# KiCad board m-blanc.kicad_pcb (continued)
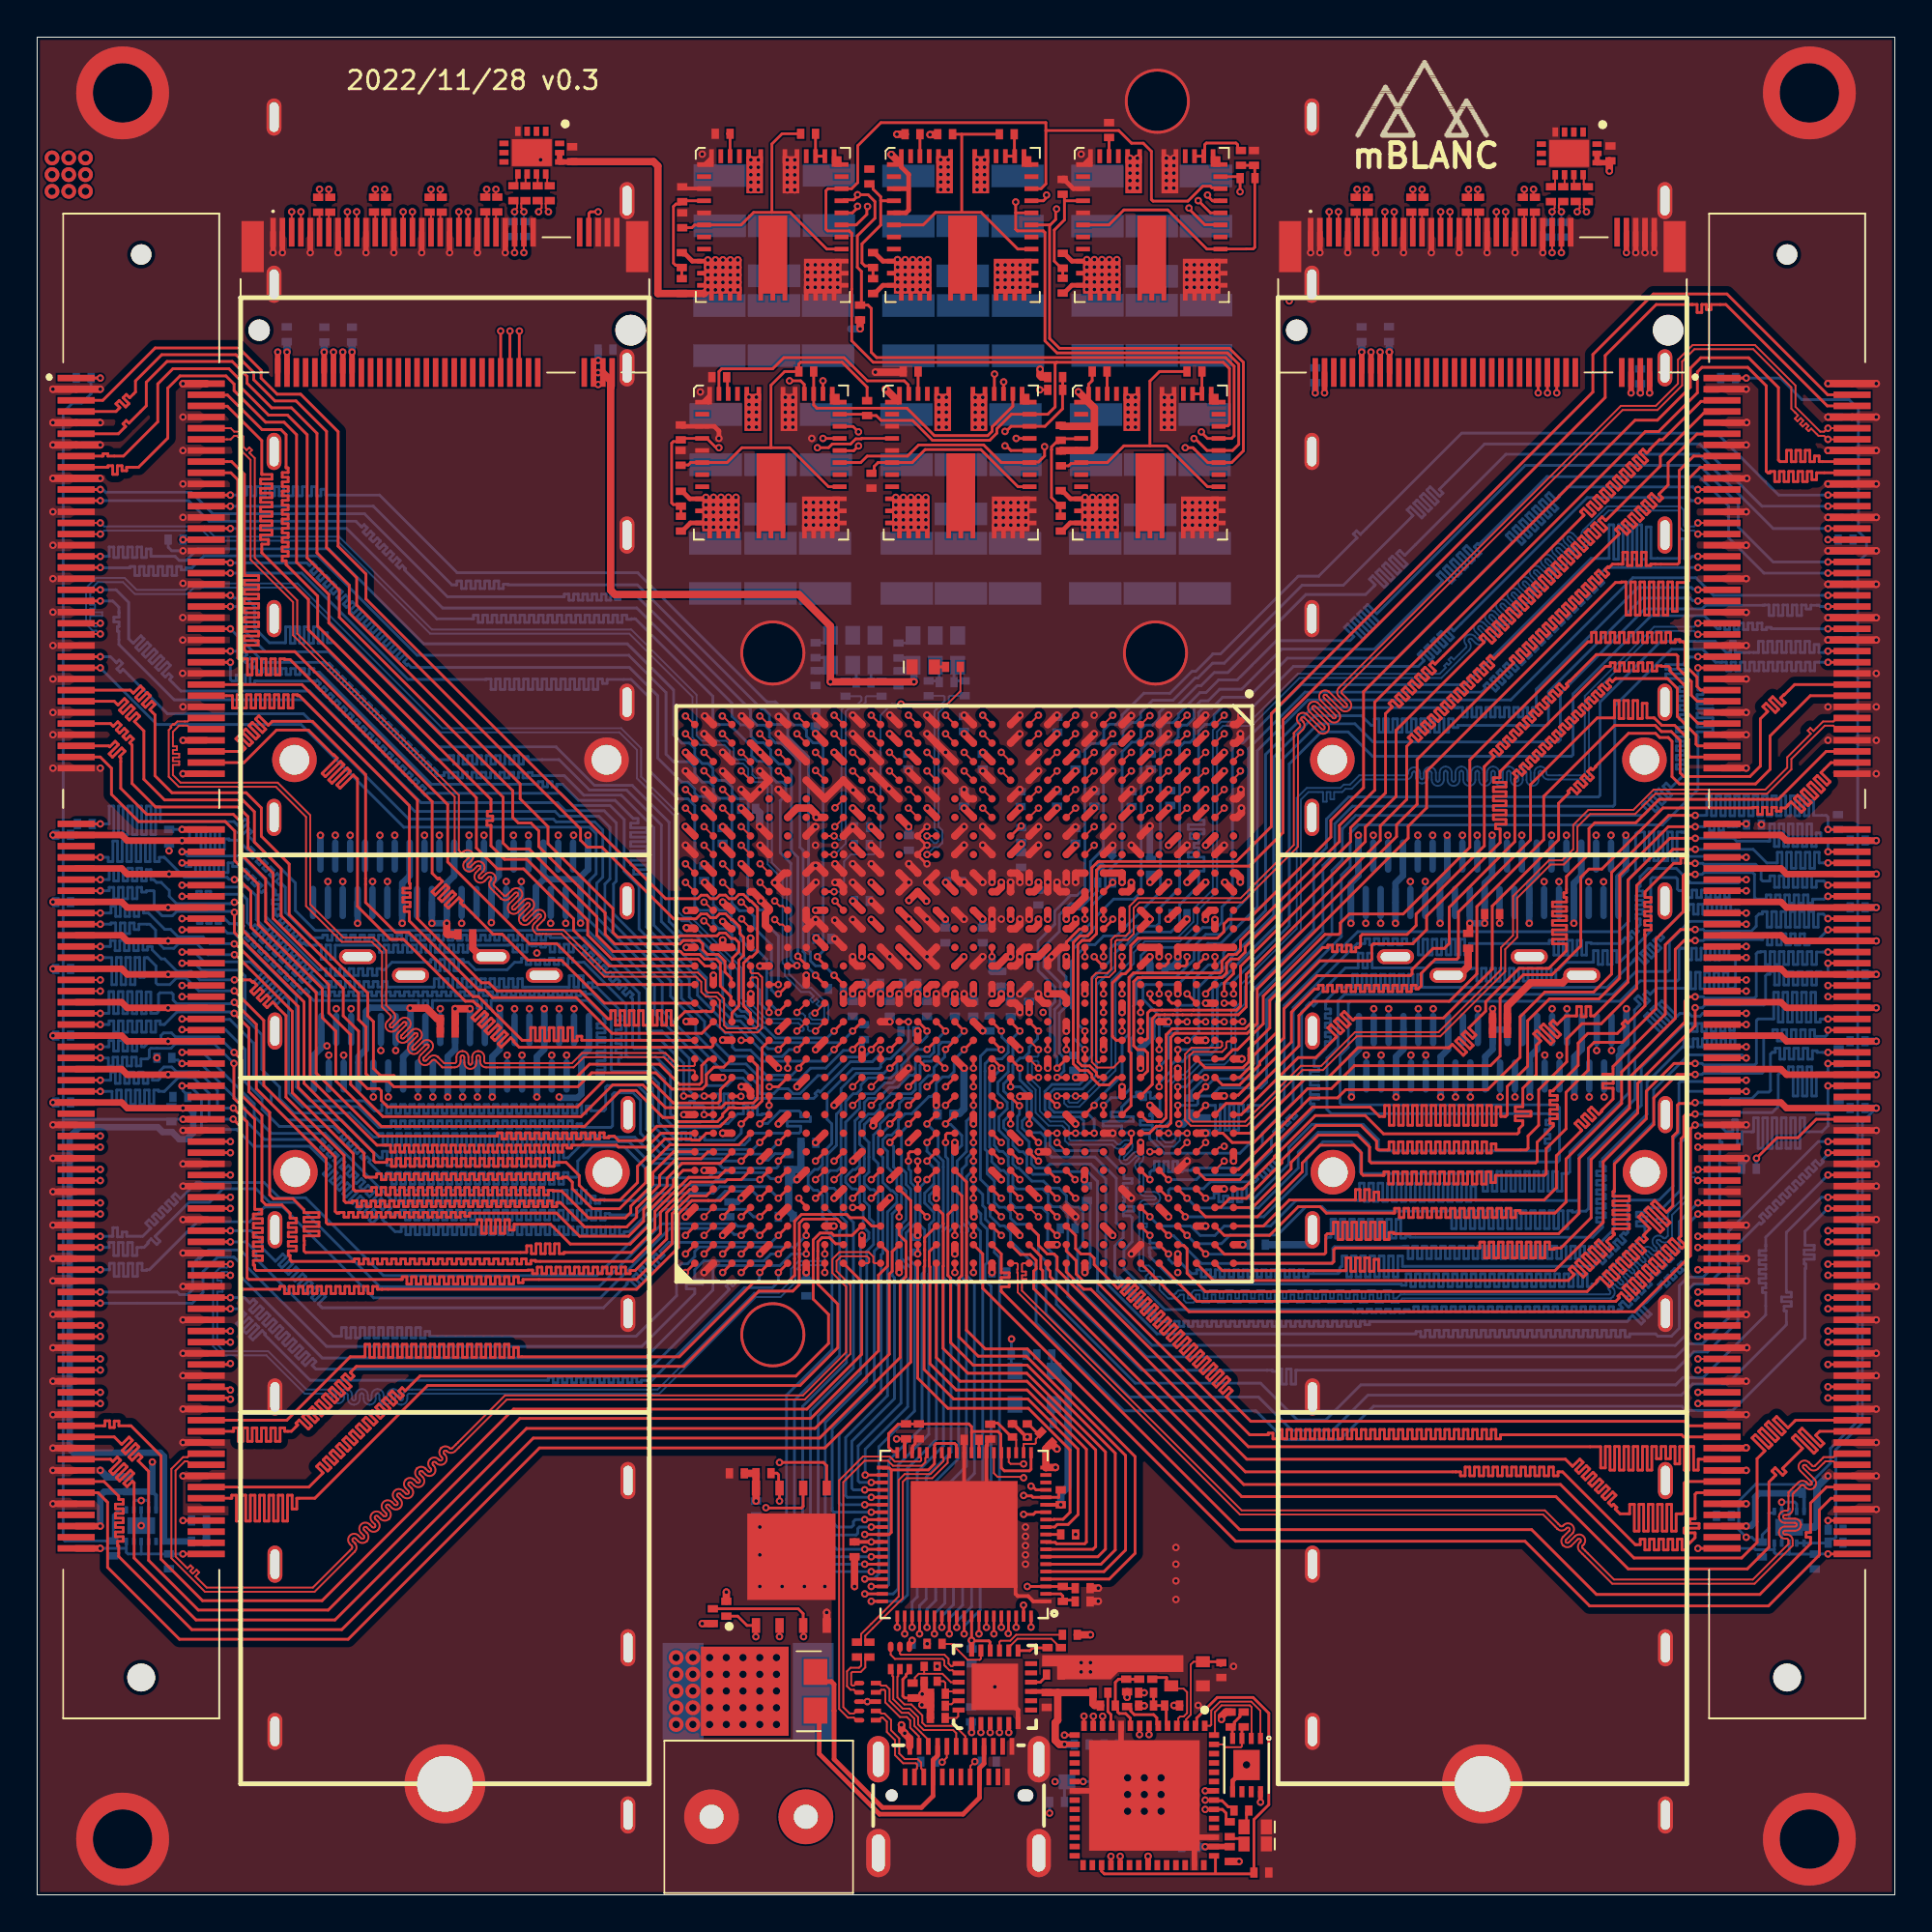
[diagram p0: board, top side]
## Routing (per net, layer and track width the routed paths; a pad name or vN(x,y) marks a point on that pad's centre or on a via; arc(x,y) is an arc through that point) (continued)
DRAM1_DM5: length 46.6
  Top Layer w0.15: v1(37.9,35.5) U1.AG28 ; DIMM1.153 v1(3.4,33.65)
  Bottom Layer w0.15: v1(3.4,33.65) 3.9,33.65 3.9,33.99 4.15,33.99 4.15,33.29 4.4,33.29 4.4,33.99 4.65,33.99 4.65,33.29 4.9,33.29 4.9,33.99 5.15,33.99 5.15,33.29 5.4,33.29 5.4,33.99 5.65,33.99 5.65,33.62 5.9,33.62 5.9,33.65 6.04,33.65 8.63,36.23 11.45,36.23 12.24,37.03 13.22,37.03 18.11,32.14 30.32,32.14 34.06,35.87 37.19,35.87 37.52,35.55 37.85,35.55 v1(37.9,35.5)
DRAM1_DM6: length 56.5
  Top Layer w0.15: v1(10.4,28.6) 10.35,28.55 10.22,28.55 10.22,28.55 DIMM1.170 ; v1(43.9,38.5) U1.AA25
  InLayer2 (Signal) w0.15: v1(43.9,38.5) 43.39,37.99 43.39,28.39 41.61,26.61 24.7,26.61 24.7,26.68 24.45,26.68 24.45,26.51 24.2,26.51 24.2,26.78 23.95,26.78 23.95,26.51 23.7,26.51 23.7,26.78 23.45,26.78 23.45,26.51 23.2,26.51 23.2,26.78 22.95,26.78 22.95,26.51 22.7,26.51 22.7,26.78 22.45,26.78 22.45,26.51 22.2,26.51 22.2,26.78 21.95,26.78 21.95,26.51 21.7,26.51 21.7,26.78 21.45,26.78 21.45,26.51 21.2,26.51 21.2,26.78 20.95,26.78 20.95,26.51 20.7,26.51 20.7,26.78 20.45,26.78 20.45,26.51 20.2,26.51 20.2,26.78 19.95,26.78 19.95,26.51 19.7,26.51 19.7,26.78 19.45,26.78 19.45,26.51 19.2,26.51 19.2,26.78 18.95,26.78 18.95,26.51 18.7,26.51 18.7,26.78 18.45,26.78 18.45,26.51 18.2,26.51 18.2,26.78 17.95,26.78 17.95,26.51 17.7,26.51 17.7,26.78 17.45,26.78 17.45,26.51 17.2,26.51 17.2,26.78 16.95,26.78 16.95,26.51 16.7,26.51 16.7,26.78 16.45,26.78 16.45,26.51 16.2,26.51 16.2,26.78 15.95,26.78 15.95,26.61 15.69,26.61 13.7,28.6 v1(10.4,28.6)
DRAM1_DM7: length 66.6
  Top Layer w0.15: DIMM1.187 3.95,23.45 4.07,23.33 4.31,23.57 4.49,23.39 3.91,22.81 4.09,22.63 4.67,23.22 4.84,23.04 4.26,22.46 4.44,22.28 5.02,22.86 5.2,22.68 4.66,22.15 4.84,21.97 5.13,22.27 5.22,22.18 5.22,18.13 8.55,14.8 16.03,14.8 26.34,25.11 41.87,25.11 45.87,29.1 45.87,33.41 46.03,33.57 46.03,34.62 U1.W29
DRAM1_DQ0: length 62.2
  Top Layer w0.15: U1.AG17 38.4,47.47 38.03,47.84 38.03,50.16 38.36,50.49 38.49,50.49 38.78,50.78 38.78,53.16 38.43,53.5 38.37,53.5 38.01,53.86 37.79,53.86 37.56,53.62 37.24,53.62 37.06,53.81 36.74,53.81 36.56,53.62 36.24,53.62 36.06,53.81 35.74,53.81 35.56,53.62 33.83,53.62 17.7,69.76 17.7,71.1 16.2,72.6 16.2,78.76 14.18,80.78 12.92,80.78 12.06,81.64 12.06,82.07 10.85,83.27 6.35,83.27 3.53,80.45 DIMM1.5
DRAM1_DQ1: length 62.5
  Top Layer w0.15: U1.AH17 37.4,47.47 37.78,47.84 37.78,50.31 38.03,50.56 38.03,51.55 37.83,51.74 37.83,52.1 37.78,52.15 37.43,52.5 37.37,52.5 37.06,52.81 36.74,52.81 36.53,52.6 36.25,52.6 36.05,52.8 35.73,52.8 35.47,52.54 34.26,52.54 30.4,56.4 29.62,56.4 29.25,56.77 29.25,57.38 17.2,69.43 17.2,70.9 15.58,72.52 15.58,78.78 13.94,80.42 12.8,80.42 11.66,81.56 11.66,81.95 10.7,82.91 6.7,82.91 5.29,81.49 5.29,80.9 4.98,80.59 4.8,80.77 4.62,80.59 4.94,80.27 4.76,80.09 4.42,80.44 4.24,80.27 4.45,80.06 4.24,79.85 DIMM1.7
DRAM1_DQ2: length 60.2
  Top Layer w0.15: DIMM1.15 3.55,77.45 3.55,77.58 3.8,77.58 3.8,77.45 4.65,77.45 6.49,79.3 6.49,81.34 7.31,82.15 10.32,82.15 10.95,81.52 10.95,81.16 12.46,79.66 13.48,79.66 14.53,78.6 14.53,71.97 16.26,70.24 16.26,68.77 25.6,59.44 25.6,58 25.9,57.7 26.58,57.7 27,57.28 27,56.43 30.58,52.85 30.58,51.71 31.1,51.19 34.6,51.19 34.79,51.38 35.64,51.38 35.83,51.19 35.83,50.88 36.08,50.62 36.66,50.62 37.03,50.26 37.03,49.68 37.37,49.33 37.37,49.03 U1.AH15
DRAM1_DQ3: length 62.4
  Top Layer w0.15: U1.AH16 37.35,48.05 37.35,48.35 36.78,48.93 36.78,50.16 36.56,50.38 35.92,50.38 35.67,50.62 34.79,50.62 34.63,50.79 31,50.79 30.13,51.66 30.13,52.65 26.48,56.3 25.4,56.3 25.08,56.62 25.08,59.09 15.7,68.47 15.7,70 13.96,71.74 13.96,78.6 13.29,79.27 12.3,79.27 10.6,80.97 10.6,81.33 10.16,81.76 7.69,81.76 7.03,81.11 7.03,78.42 5.46,76.85 4.82,76.85 4.82,76.66 4.57,76.66 4.57,76.93 4.32,76.93 4.32,76.47 4.07,76.47 4.07,76.93 3.82,76.93 3.82,76.85 DIMM1.17
DRAM1_DQ4: length 54.3
  Top Layer w0.15: DIMM1.4 9.12,80.73 10.25,80.73 12.11,78.88 13.12,78.88 13.4,78.6 13.4,76.81 13.51,76.81 13.51,76.56 13.19,76.56 13.19,76.31 13.51,76.31 13.51,76.06 13.19,76.06 13.19,75.81 13.51,75.81 13.51,75.56 13.19,75.56 13.19,75.31 13.51,75.31 13.51,75.06 13.19,75.06 13.19,74.81 13.51,74.81 13.51,74.56 13.19,74.56 13.19,74.31 13.51,74.31 13.51,74.06 13.19,74.06 13.19,73.81 13.51,73.81 13.51,73.56 13.19,73.56 13.19,73.31 13.51,73.31 13.51,73.06 13.19,73.06 13.19,72.81 13.51,72.81 13.51,72.56 13.19,72.56 13.19,72.31 13.51,72.31 13.51,72.06 13.19,72.06 13.19,71.81 13.4,71.81 13.4,71.61 15.1,69.91 15.1,68.3 24.43,58.97 24.43,58.33 24.23,58.33 24.23,58.08 24.52,58.08 24.52,57.83 24.21,57.83 24.21,57.58 24.43,57.58 24.43,56.47 25.16,55.74 26.35,55.74 29.64,52.46 29.64,51.67 30.93,50.37 35.2,50.37 35.2,50.38 35.57,50.38 35.95,50 U1.AJ14
DRAM1_DQ5: length 54.5
  Top Layer w0.15: U1.AK14 30.8,50 28.88,51.93 28.88,52.54 27.49,53.92 26.19,55.23 24.77,55.23 23.64,56.36 23.64,59.06 14.6,68.1 14.6,69.74 12.09,72.25 12.09,72.71 12.45,72.71 12.45,72.96 12.03,72.96 12.03,73.21 12.64,73.21 12.64,73.46 12.03,73.46 12.03,73.71 12.64,73.71 12.64,73.96 12.03,73.96 12.03,74.21 12.64,74.21 12.64,74.46 12.03,74.46 12.03,74.71 12.64,74.71 12.64,74.96 12.03,74.96 12.03,75.21 12.64,75.21 12.64,75.46 12.03,75.46 12.03,75.71 12.64,75.71 12.64,75.96 12.03,75.96 12.03,76.21 12.64,76.21 12.64,76.46 12.09,76.46 12.09,78.28 10.24,80.13 9.12,80.13 DIMM1.6
DRAM1_DQ6: length 57.6
  Top Layer w0.15: DIMM1.16 10.47,77.15 11.15,76.47 11.15,71.01 11.92,71.01 11.92,70.76 11.15,70.76 11.15,70.51 11.92,70.51 11.92,70.26 11.15,70.26 11.15,70.01 11.92,70.01 11.92,69.76 11.15,69.76 11.15,69.51 11.92,69.51 11.92,69.26 11.15,69.26 11.15,69.01 11.92,69.01 11.92,68.76 11.15,68.76 11.15,68.51 11.92,68.51 11.92,68.26 11.15,68.26 11.15,68.01 11.92,68.01 11.92,67.76 11.15,67.76 11.15,67.51 11.9,67.51 11.9,67.26 11.15,67.26 11.15,67.01 11.24,66.92 13.87,66.92 22.1,58.69 22.1,55.6 26.5,51.2 27.97,51.2 30.17,49 U1.AK15
DRAM1_DQ7: length 58
  Top Layer w0.15: DIMM1.18 10.43,76.55 10.8,76.18 10.8,66.58 10.89,66.5 11.07,66.5 11.07,66.53 11.32,66.53 11.32,65.67 11.57,65.67 11.57,66.53 11.82,66.53 11.82,65.67 12.07,65.67 12.07,66.53 12.32,66.53 12.32,65.67 12.57,65.67 12.57,66.53 12.82,66.53 12.82,65.67 13.07,65.67 13.07,66.53 13.32,66.53 13.32,66.5 13.62,66.5 21.26,58.85 21.26,54.99 21.58,54.67 21.64,54.74 21.82,54.56 21.26,54 21.43,53.82 21.99,54.38 22.17,54.2 21.61,53.64 21.79,53.47 22.35,54.03 22.53,53.85 21.96,53.29 22.14,53.11 22.7,53.67 22.88,53.5 22.78,53.4 22.96,53.22 22.99,53.26 24.54,51.71 25.03,51.71 26.42,50.32 28.22,50.32 30.53,48 U1.AK16
DRAM1_DQ8: length 62
  Top Layer w0.15: U1.AC15 42.39,49 41.86,49.53 41.85,49.53 ; DIMM1.21 3.35,75.65
  Bottom Layer w0.15: v1(41.9,49.5) 41.9,49.53 41.33,50.11 41.33,50.68 41.23,50.77 41.23,56.23 41.06,56.39 41.06,61 40.06,62.01 39.75,62.01 39.42,62.33 39.42,62.71 39.17,62.96 38.76,62.96 38.4,63.32 38.4,63.79 32.31,69.88 31.38,69.88 31.38,69.72 31.13,69.72 31.13,70.02 30.88,70.02 30.88,69.69 30.63,69.69 30.63,70.02 30.38,70.02 30.38,69.69 30.13,69.69 30.13,70.02 29.88,70.02 29.88,69.69 29.63,69.69 29.63,70.02 29.38,70.02 29.38,69.69 29.13,69.69 29.13,70.02 28.88,70.02 28.88,69.69 28.63,69.69 28.63,70.02 28.38,70.02 28.38,69.88 22.09,69.88 17.62,74.34 9.46,74.34 8.3,75.5 3.69,75.5 3.59,75.6 3.45,75.6 v1(3.4,75.65)
DRAM1_DQ9: length 60.2
  Top Layer w0.15: U1.AD14 41.4,50.05 40.95,50.5 v1(40.95,50.52) ; DIMM1.23 v1(3.4,75.05)
  Bottom Layer w0.15: 3.4,75.05 8.15,75.05 9.26,73.94 17.16,73.94 17.47,73.63 17.6,73.76 17.78,73.58 17.55,73.36 17.73,73.18 17.95,73.41 18.13,73.23 17.9,73 18.08,72.83 18.31,73.05 18.48,72.88 18.26,72.65 18.43,72.47 18.66,72.7 18.84,72.52 18.61,72.29 18.79,72.12 19.01,72.35 19.19,72.17 18.96,71.94 19.14,71.76 19.37,71.99 19.55,71.81 19.32,71.59 19.49,71.41 19.65,71.57 19.83,71.39 19.77,71.33 21.83,69.27 32.27,69.27 37.4,64.15 37.4,63.45 37.87,62.98 38.15,62.98 38.43,62.7 38.43,62.35 38.76,62.02 39.1,62.02 39.49,61.64 39.49,61.31 39.92,60.88 40.25,60.88 40.6,60.52 40.6,56.2 40.95,55.85 v1(40.95,50.52)
DRAM1_DQ10: length 60.8
  Top Layer w0.15: U1.AF15 v1(39.9,49) ; DIMM1.33 v1(3.4,72.05)
  Bottom Layer w0.15: v1(39.9,49) 39.9,51.62 39.32,52.2 39.32,52.8 39.11,53.01 38.88,53.01 38.25,53.65 38.25,55.32 38.27,55.34 38.27,58.89 38.16,59 37.68,59 37.41,59.27 37.41,59.63 37.05,59.99 36.66,59.99 36.38,60.27 36.38,60.64 36.12,60.9 35.8,60.9 35.4,61.3 35.4,61.71 35.11,62 34.7,62 34.26,62.44 34.26,64.86 31.77,67.34 20.81,67.34 15.7,72.46 8.65,72.46 8.03,71.83 7.65,71.83 7.43,72.05 6.13,72.05 6.13,72.45 5.88,72.45 5.88,71.99 5.63,71.99 5.63,72.55 5.38,72.55 5.38,71.99 5.13,71.99 5.13,72.55 4.88,72.55 4.88,71.99 4.63,71.99 4.63,72.55 4.38,72.55 4.38,71.99 4.13,71.99 4.13,72.55 3.88,72.55 3.88,72.05 v1(3.4,72.05)
DRAM1_DQ11: length 61.1
  Top Layer w0.15: DIMM1.35 v1(3.4,71.45) ; U1.AE15 40.4,48.97 39.93,48.49 v1(39.89,48.49)
  Bottom Layer w0.15: v1(39.89,48.49) 39.85,48.54 39.69,48.54 39.52,48.71 39.52,51.14 38.6,52.07 38.6,52.67 38.29,52.97 37.81,52.97 37.4,53.38 37.4,58.8 37.17,59.03 36.64,59.03 36.4,59.27 36.4,59.7 36.2,59.9 35.8,59.9 35.4,60.3 35.4,60.7 35.1,61 34.25,61 33.85,61.4 33.85,64.72 31.85,66.72 20.45,66.72 15.1,72.08 8.98,72.08 8.34,71.44 8.01,71.44 8.01,71.32 7.76,71.32 7.76,71.51 7.51,71.51 7.51,71.02 7.26,71.02 7.26,71.51 7.01,71.51 7.01,71.02 6.76,71.02 6.76,71.51 6.51,71.51 6.51,71.02 6.26,71.02 6.26,71.51 6.01,71.51 6.01,71.02 5.76,71.02 5.76,71.51 5.51,71.51 5.51,71.02 5.26,71.02 5.26,71.51 5.01,71.51 5.01,71.44 3.41,71.44 v1(3.4,71.45)
DRAM1_DQ12: length 59.7
  Top Layer w0.15: v1(10.4,75.35) 10.22,75.35 DIMM1.22 ; v1(42,50.5) 42,50.45 42.4,50.05 U1.AC14
  Bottom Layer w0.15: v1(42,50.5) 42.31,50.81 42.31,61.82 42.12,62.01 41.77,62.01 41.41,62.37 41.41,62.69 41.13,62.98 40.7,62.98 40.43,63.24 40.43,63.52 39.74,64.22 39.28,64.22 32.33,71.17 22.61,71.17 18.43,75.35 15.53,75.35 15.53,75.66 15.28,75.66 15.28,75.31 15.03,75.31 15.03,75.8 14.78,75.8 14.78,75.31 14.53,75.31 14.53,75.8 14.28,75.8 14.28,75.31 14.03,75.31 14.03,75.8 13.78,75.8 13.78,75.31 13.53,75.31 13.53,75.8 13.28,75.8 13.28,75.31 13.03,75.31 13.03,75.8 12.78,75.8 12.78,75.31 12.53,75.31 12.53,75.8 12.28,75.8 12.28,75.31 12.03,75.31 12.03,75.8 11.78,75.8 11.78,75.31 11.53,75.31 11.53,75.8 11.28,75.8 11.28,75.35 v1(10.4,75.35)
DRAM1_DQ13: length 56
  Top Layer w0.15: U1.AB15 42.96,49.44 42.84,49.44 42.79,49.49 ; DIMM1.24 v1(10.4,74.75)
  Bottom Layer w0.15: v1(10.4,74.75) 18.1,74.75 22.33,70.52 22.59,70.52 22.59,70.72 22.84,70.72 22.84,70.32 23.09,70.32 23.09,70.72 23.34,70.72 23.34,70.32 23.59,70.32 23.59,70.72 23.84,70.72 23.84,70.32 24.09,70.32 24.09,70.72 24.34,70.72 24.34,70.32 24.59,70.32 24.59,70.72 24.84,70.72 24.84,70.32 25.09,70.32 25.09,70.56 25.34,70.56 25.34,70.52 32.31,70.52 39,63.83 39.12,63.83 39.42,63.54 39.42,63.19 39.61,63 40.2,63 40.4,62.8 40.4,62.37 41.52,61.24 41.52,50.83 41.63,50.73 41.63,50.28 41.9,50.01 42.39,50.01 v1(42.9,49.5)
DRAM1_DQ14: length 61.4
  Top Layer w0.15: DIMM1.34 10.28,71.75 10.33,71.7 v1(10.4,71.7) ; v1(39.9,47.5) U1.AE16
  Bottom Layer w0.15: v1(39.9,47.5) 39.9,47.53 39.28,48.16 39.27,50.35 38.77,50.85 38.45,50.85 37.87,51.43 37.87,51.92 37.37,52.42 37.37,52.77 37.14,53 36.7,53 36.4,53.3 36.4,58.73 36.01,59.13 35.57,59.13 35.4,59.3 35.4,59.53 35.03,59.9 34.7,59.9 33.41,61.19 33.41,64.55 31.88,66.07 20.14,66.07 19.97,66.25 19.9,66.19 19.73,66.37 19.97,66.61 19.79,66.78 19.48,66.48 19.31,66.65 19.61,66.96 19.44,67.14 19.13,66.83 18.95,67.01 19.26,67.31 19.08,67.49 18.78,67.19 18.6,67.36 18.91,67.67 18.73,67.84 18.42,67.54 18.25,67.72 18.55,68.02 18.37,68.2 18.07,67.89 17.89,68.07 18.2,68.37 18.02,68.55 17.72,68.25 17.54,68.42 17.84,68.73 17.67,68.91 17.36,68.6 17.19,68.78 17.49,69.08 17.31,69.26 17.01,68.95 16.83,69.13 17.14,69.44 16.96,69.61 16.65,69.31 16.48,69.48 16.78,69.79 16.61,69.97 16.3,69.66 16.12,69.84 16.43,70.14 16.25,70.32 15.95,70.01 15.77,70.19 16.08,70.5 15.9,70.67 15.59,70.37 15.42,70.54 15.72,70.85 15.55,71.03 15.24,70.72 15.06,70.9 15.37,71.2 15.19,71.38 14.89,71.07 14.71,71.25 15.02,71.56 14.84,71.73 14.66,71.56 14.52,71.7 v1(10.4,71.7)
DRAM1_DQ15: length 61.5
  Top Layer w0.15: v1(39.4,47.5) U1.AF16 ; v1(10.4,71.15) 10.22,71.15 DIMM1.36
  Bottom Layer w0.15: v1(10.4,71.15) 14.23,71.15 19.96,65.42 24.18,65.42 24.18,65.45 24.43,65.45 24.43,64.89 24.68,64.89 24.68,65.45 24.93,65.45 24.93,64.89 25.18,64.89 25.18,65.45 25.43,65.45 25.43,64.89 25.68,64.89 25.68,65.45 25.93,65.45 25.93,64.89 26.18,64.89 26.18,65.45 26.43,65.45 26.43,64.89 26.68,64.89 26.68,65.45 26.93,65.45 26.93,64.89 27.18,64.89 27.18,65.45 27.43,65.45 27.43,64.89 27.68,64.89 27.68,65.45 27.93,65.45 27.93,64.89 28.18,64.89 28.18,65.45 28.43,65.45 28.43,64.89 28.68,64.89 28.68,65.45 28.93,65.45 28.93,64.89 29.18,64.89 29.18,65.45 29.43,65.45 29.43,64.89 29.68,64.89 29.68,65.45 29.93,65.45 29.93,64.89 30.18,64.89 30.18,65.45 30.43,65.45 30.43,65.21 30.68,65.21 30.68,65.42 31.98,65.42 32.99,64.41 32.99,60.49 34.48,59 35.03,59 35.4,58.63 35.4,53.24 35.65,53 36.17,53 36.39,52.78 36.39,52.31 36.69,52.01 37.09,52.01 37.4,51.7 37.4,51.1 38.5,50 38.5,49.1 38.89,48.71 38.89,48.01 39.4,47.5
DRAM1_DQ16: length 62.4
  Top Layer w0.15: U1.AD19 41.4,44.95 41,44.55 v1(41,44.5) ; DIMM1.39 v1(3.4,70.25)
  Bottom Layer w0.15: v1(3.4,70.25) 4.25,70.25 4.93,69.57 4.93,67.62 5.17,67.37 5.58,67.78 5.76,67.6 5.31,67.15 5.48,66.97 5.94,67.42 6.11,67.25 5.66,66.79 5.84,66.62 6.29,67.07 6.47,66.89 6.01,66.44 6.19,66.26 6.64,66.72 6.82,66.54 6.37,66.09 6.54,65.91 7,66.36 7.17,66.19 6.72,65.73 6.9,65.56 7.08,65.74 7.26,65.57 7.12,65.42 7.74,64.8 14.66,64.8 20.66,58.79 28.01,58.79 28.44,58.36 30.52,58.36 31.17,57.7 31.17,54.57 31.03,54.42 31.03,52.81 34.68,49.16 34.68,48.26 35.93,47.02 35.93,46.43 37.22,45.14 38.24,45.14 39.25,44.12 39.67,44.12 40.63,44.12 v1(41,44.5)
DRAM1_DQ17: length 59.8
  Top Layer w0.15: DIMM1.41 v1(3.4,69.65) ; U1.AA18 44.37,46 43.9,45.53 v1(43.9,45.5)
  Bottom Layer w0.15: v1(3.4,69.65) 4.06,69.65 4.4,69.31 4.4,69.02 4.41,69.02 4.41,68.77 4.13,68.77 4.13,68.52 4.41,68.52 4.41,68.27 4.32,68.27 4.32,68.02 4.4,68.02 4.4,67.3 7.38,64.33 14.32,64.33 20.33,58.32 27.88,58.32 28.14,58.06 30.23,58.06 30.83,57.46 30.83,54.68 30.56,54.41 30.56,52.74 34.1,49.21 34.1,48.38 35.45,47.03 35.45,46.33 37.06,44.73 38.16,44.73 39.01,43.88 39.57,43.88 41.01,43.87 41.63,44.5 42.44,44.5 43.4,45.45 43.85,45.45 v1(43.9,45.5)
DRAM1_DQ18: length 59.6
  Top Layer w0.15: v1(44.9,45.5) 44.9,45.53 45.37,46 U1.Y18 ; DIMM1.51 v1(3.4,66.65)
  Bottom Layer w0.15: v1(3.4,66.65) 3.94,66.65 4.27,66.32 4.42,66.47 4.59,66.3 4.29,65.99 4.47,65.81 4.62,65.97 4.96,65.63 7.01,63.58 14.33,63.58 20,57.91 27.79,57.91 27.94,57.76 30.01,57.76 30.45,57.32 30.45,54.78 30.12,54.46 30.12,52.63 33.65,49.1 33.65,47.59 36.86,44.38 38.04,44.38 38.86,43.56 38.86,43.21 38.94,43.12 39.65,43.12 39.91,43.39 40.42,43.39 40.69,43.12 41.06,43.12 42.03,44.1 42.55,44.1 43.55,45.1 44.53,45.1 44.9,45.47 v1(44.9,45.5)
DRAM1_DQ19: length 60.3
  Top Layer w0.15: U1.Y19 v1(45.4,45.5) ; DIMM1.53 v1(3.4,66.05)
  Bottom Layer w0.15: v1(45.4,45.5) 45.36,45.46 45.36,45.24 44.96,44.85 43.78,44.85 42.14,43.21 42.05,43.31 41.87,43.13 41.96,43.03 41.8,42.87 40.56,42.87 38.49,42.88 38.41,42.96 38.41,43.55 37.99,43.97 37.54,43.97 37.14,43.56 36.09,43.56 36,43.65 36,44.65 33.23,47.42 33.23,48.94 29.72,52.45 29.72,54.59 30.09,54.96 30.09,57.13 29.75,57.47 19.74,57.47 14.21,63 6.45,63 v1(3.4,66.05)
DRAM1_DQ20: length 57.5
  Top Layer w0.15: v1(42.9,46.5) U1.AB17 ; DIMM1.40 v1(10.4,69.95)
  Bottom Layer w0.15: v1(42.9,46.5) 42.52,46.12 39.74,46.12 39.16,46.7 39,46.7 38.15,47.55 37.91,47.55 37.31,48.15 37.31,49.79 35.46,51.64 34.78,51.64 34.02,52.4 34.02,57.74 32.03,59.73 30.01,59.73 27.93,61.8 21.6,61.8 16,67.4 15.63,67.4 15.63,67.93 15.38,67.93 15.38,67.37 15.13,67.37 15.13,68.26 14.88,68.26 14.88,67.37 14.63,67.37 14.63,68.26 14.38,68.26 14.38,67.37 14.13,67.37 14.13,68.26 13.88,68.26 13.88,67.37 13.63,67.37 13.63,68.26 13.38,68.26 13.38,67.4 12.5,67.4 11.7,68.2 11.7,69.35 11.25,69.81 10.61,69.81 10.47,69.95 v1(10.4,69.95)
DRAM1_DQ21: length 57.9
  Top Layer w0.15: v1(10.4,69.35) 10.22,69.35 DIMM1.42 ; v1(43.9,46.5) U1.AA17
  Bottom Layer w0.15: v1(43.9,46.5) 43.27,45.87 39.47,45.87 38.05,47.3 37.68,47.3 36.9,48.08 36.9,49.65 35.16,51.38 34.62,51.38 33.6,52.4 33.6,57.6 31.72,59.48 29.73,59.48 28.09,61.11 26.43,61.11 26.43,61.28 26.18,61.28 26.18,60.86 25.93,60.86 25.93,61.33 25.68,61.33 25.68,60.86 25.43,60.86 25.43,61.33 25.18,61.33 25.18,60.86 24.93,60.86 24.93,61.33 24.68,61.33 24.68,60.86 24.43,60.86 24.43,61.33 24.18,61.33 24.18,60.86 23.93,60.86 23.93,61.33 23.68,61.33 23.68,60.86 23.43,60.86 23.43,61.33 23.18,61.33 23.18,60.86 22.93,60.86 22.93,61.33 22.68,61.33 22.68,60.86 22.43,60.86 22.43,61.33 22.18,61.33 22.18,61.11 21.49,61.11 15.69,66.91 12.29,66.91 11.25,67.96 11.25,69.15 11.05,69.35 v1(10.4,69.35)
DRAM1_DQ22: length 60.9
  Top Layer w0.15: v1(40.9,45.5) U1.AD18 ; v1(10.4,66.95) 10.22,66.95 DIMM1.50
  Bottom Layer w0.15: v1(40.9,45.5) 40.9,45.5 40.47,45.5 40.1,45.12 39.31,45.12 37.71,46.72 37.25,46.72 35.55,48.43 35.55,49.35 32.8,52.1 32.8,54.69 32.81,54.69 32.81,54.94 32.11,54.94 32.11,55.19 32.81,55.19 32.81,55.44 31.95,55.44 31.95,55.69 32.81,55.69 32.81,55.94 31.95,55.94 31.95,56.19 32.81,56.19 32.81,56.44 31.95,56.44 31.95,56.69 32.81,56.69 32.81,56.94 31.95,56.94 31.95,57.19 32.81,57.19 32.81,57.44 31.95,57.44 31.95,57.69 32.35,57.69 32.35,57.94 32.09,57.94 31.11,58.92 29.14,58.92 28.28,59.78 27.97,59.78 27.97,59.65 27.72,59.65 27.72,59.92 27.47,59.92 27.47,59.65 27.22,59.65 27.22,59.92 26.97,59.92 26.97,59.78 21.22,59.78 15.18,65.82 14.9,65.82 14.9,66.01 14.65,66.01 14.65,65.69 14.4,65.69 14.4,66.01 14.15,66.01 14.15,65.69 13.9,65.69 13.9,66.01 13.65,66.01 13.65,65.69 13.4,65.69 13.4,66.01 13.15,66.01 13.15,65.69 12.9,65.69 12.9,66.01 12.65,66.01 12.65,65.69 12.4,65.69 12.4,66.01 12.15,66.01 12.15,65.82 11.98,65.82 11.7,66.1 11.57,65.98 11.4,66.16 11.65,66.41 11.47,66.58 11.22,66.33 11.04,66.51 11.29,66.76 11.12,66.94 10.99,66.81 10.85,66.95 10.4,66.95 v1(10.4,66.95)
DRAM1_DQ23: length 59.7
  Top Layer w0.15: v1(42.9,45.5) U1.AB18 ; v1(10.4,66.35) 10.22,66.35 DIMM1.52
  Bottom Layer w0.15: v1(10.4,66.35) 10.4,65.43 10.49,65.34 10.71,65.34 10.71,65.66 10.96,65.66 10.96,65.17 11.21,65.17 11.21,65.68 11.46,65.68 11.46,65.17 11.71,65.17 11.71,65.34 14.91,65.34 14.97,65.28 15.08,65.39 15.25,65.21 15.05,65.01 15.23,64.84 15.43,65.04 15.61,64.86 15.41,64.66 15.58,64.48 15.78,64.68 15.96,64.5 15.76,64.31 15.94,64.13 16.14,64.33 16.31,64.15 16.11,63.95 16.29,63.78 16.49,63.97 16.67,63.8 16.47,63.6 16.64,63.42 16.84,63.62 17.02,63.44 16.82,63.24 17,63.07 17.2,63.27 17.37,63.09 17.17,62.89 17.35,62.71 17.55,62.91 17.73,62.74 17.53,62.54 17.71,62.36 17.9,62.56 18.08,62.38 17.88,62.18 18.06,62.01 18.26,62.21 18.44,62.03 18.24,61.83 18.41,61.65 18.61,61.85 18.79,61.68 18.59,61.48 18.77,61.3 18.97,61.5 19.14,61.32 18.94,61.12 19.12,60.95 19.32,61.15 19.5,60.97 19.3,60.77 19.47,60.59 19.67,60.79 19.85,60.62 19.65,60.42 19.83,60.24 20.03,60.44 20.2,60.26 20,60.06 20.18,59.89 20.38,60.09 20.56,59.91 20.36,59.71 20.53,59.53 20.73,59.73 20.91,59.56 20.71,59.36 20.89,59.18 21.01,59.3 28.18,59.3 28.83,58.64 30.84,58.64 31.6,57.88 31.6,55.1 32.4,54.3 32.4,51.99 35.1,49.29 35.1,48.33 37.04,46.4 37.25,46.4 37.43,46.22 37.43,45.63 37.59,45.47 38.39,45.47 38.99,44.87 42.27,44.87 v1(42.9,45.5)
DRAM1_DQ24: length 54.7
  Top Layer w0.15: U1.AJ19 36.38,44.98 36.12,44.98 35.78,44.64 35.78,43.75 35.65,43.62 34.58,43.62 33.49,44.71 29.74,44.71 28.96,43.94 19.37,43.94 19.2,44.1 18.49,44.1 18.1,44.49 18.1,47.01 17.8,47.31 17.8,48.54 13.57,52.77 13.57,55.49 12.07,56.99 12.07,58.51 11.25,59.33 7.26,59.33 6.34,60.24 6.34,63.52 6.06,63.8 6.34,64.08 6.16,64.26 5.83,63.92 5.66,64.1 6.1,64.54 5.92,64.72 5.48,64.28 5.3,64.45 5.75,64.9 5.57,65.07 5.18,64.68 5.01,64.85 DIMM1.57
DRAM1_DQ25: length 55.2
  Top Layer w0.15: U1.AH19 36.95,44.55 36.42,44.55 36.03,44.16 36.03,43.61 35.79,43.38 34.18,43.38 33.3,44.25 29.85,44.25 29.1,43.5 19.2,43.5 18.9,43.8 18.1,43.8 17.7,44.2 17.7,46.72 17.3,47.12 17.3,48.53 13.14,52.7 13.14,55.23 11.69,56.67 11.69,58.3 11.06,58.94 6.86,58.94 5.74,60.05 5.74,62.66 5.24,63.16 5.52,63.45 5.34,63.62 4.96,63.24 4.78,63.42 5.23,63.86 5.05,64.04 4.61,63.59 4.43,63.77 4.88,64.22 4.7,64.39 4.35,64.05 4.15,64.25 DIMM1.59
DRAM1_DQ26: length 56.7
  Top Layer w0.15: U1.AG19 38.77,44.63 38.77,42.84 38.56,42.62 38.06,42.62 38.04,42.61 37.73,42.61 37.71,42.62 37.07,42.62 36.82,42.38 33.83,42.38 32.6,43.6 30.98,43.6 29.28,41.89 18.61,41.89 16.87,43.63 16.87,46.3 15.7,47.47 15.7,48.99 12.3,52.39 12.3,54.7 11,56 11,57.72 10.56,58.16 5.9,58.16 4.5,59.56 4.5,61.2 4.43,61.27 4.73,61.56 4.55,61.74 4.06,61.24 3.88,61.42 4.38,61.92 4.2,62.09 3.9,61.8 3.85,61.85 DIMM1.67
DRAM1_DQ27: length 56.1
  Top Layer w0.15: DIMM1.69 3.4,61.25 4,60.65 4,59.24 4.27,58.97 5.46,57.78 10.12,57.78 10.64,57.26 10.64,55.66 11.9,54.4 11.9,52.23 15.35,48.78 15.35,47.22 16.08,46.49 16.08,43.82 18.53,41.36 29.46,41.36 31.4,43.3 32.24,43.3 33.69,41.84 34.27,41.84 34.49,41.62 36.62,41.62 36.9,41.9 36.9,42.03 37.24,42.38 37.56,42.38 37.57,42.36 38.14,42.36 38.16,42.38 38.66,42.38 39.02,42.74 39.02,45.6 39.4,45.98 U1.AF18
DRAM1_DQ28: length 50.2
  Top Layer w0.15: DIMM1.56 14.25,65.15 20.47,58.93 20.47,52.55 23.92,49.1 24.31,49.1 24.74,48.67 29.22,48.67 30.73,47.16 30.88,47.16 30.88,47.6 31.13,47.6 31.13,46.81 31.38,46.81 31.38,47.6 31.63,47.6 31.63,46.81 31.88,46.81 31.88,47.6 32.13,47.6 32.13,46.81 32.38,46.81 32.38,47.6 32.63,47.6 32.63,46.81 32.88,46.81 32.88,47.6 33.13,47.6 33.13,46.81 33.38,46.81 33.38,47.6 33.63,47.6 33.63,46.81 33.88,46.81 33.88,47.6 34.13,47.6 34.13,46.81 34.38,46.81 34.38,47.16 34.49,47.16 34.87,47.54 35.78,47.54 35.78,47.58 36.03,47.58 36.03,47.54 36.31,47.54 36.4,47.63 36.4,48
DRAM1_DQ29: length 51
  Top Layer w0.15: DIMM1.58 10.51,64.55 10.51,63.88 10.76,63.88 10.76,64.6 11.01,64.6 11.01,63.88 11.26,63.88 11.26,64.6 11.51,64.6 11.51,63.88 11.76,63.88 11.76,64.6 12.01,64.6 12.01,63.88 12.26,63.88 12.26,64.6 12.51,64.6 12.51,63.88 12.76,63.88 12.76,64.6 13.01,64.6 13.01,63.88 13.26,63.88 13.26,64.6 13.51,64.6 13.51,63.88 13.76,63.88 13.76,64.6 14.01,64.6 14.01,64.55 14.12,64.55 20.04,58.63 20.04,54.44 20.08,54.44 20.08,54.19 19.69,54.19 19.69,53.94 20.08,53.94 20.08,53.69 19.69,53.69 19.69,53.44 20.08,53.44 20.08,53.19 19.76,53.19 19.76,52.94 20.04,52.94 20.04,52.42 23.75,48.71 24.11,48.71 24.52,48.3 29.02,48.3 30.94,46.38 35.78,46.38 U1.AJ17
DRAM1_DQ30: length 51.7
  Top Layer w0.15: U1.AK18 29.32,46 29.32,46.22 29.07,46.22 29.07,45.98 28.82,45.98 28.82,46.68 28.57,46.68 28.57,45.98 28.32,45.98 28.32,46.68 28.07,46.68 28.07,45.98 27.82,45.98 27.82,46.68 27.57,46.68 27.57,45.98 27.32,45.98 27.32,46.68 27.07,46.68 27.07,45.98 26.82,45.98 26.82,46.68 26.57,46.68 26.57,46 26.11,46 24.76,47.35 24.75,47.35 24.53,47.57 24.53,47.58 23.76,48.35 23.46,48.35 20,51.81 19.29,51.81 17.68,53.42 17.68,54.39 17.68,54.39 17.68,54.71 17.68,60.31 14.82,63.17 12.66,63.17 12.44,62.96 11.93,63.47 11.76,63.29 12.3,62.74 12.13,62.57 11.58,63.12 11.4,62.94 11.95,62.39 11.77,62.21 11.23,62.76 11.05,62.58 11.6,62.04 11.42,61.86 10.87,62.41 10.7,62.23 11.21,61.72 11.04,61.55 DIMM1.68
DRAM1_DQ31: length 53.4
  Top Layer w0.15: U1.AJ18 36.39,45.99 36.39,45.71 36.3,45.62 25.95,45.62 25.64,45.93 25.67,45.96 25.5,46.14 24.99,45.63 24.81,45.81 25.32,46.32 25.14,46.49 24.64,45.99 24.46,46.16 24.97,46.67 24.79,46.85 24.28,46.34 24.11,46.52 24.61,47.02 24.43,47.2 23.93,46.69 23.75,46.87 24.26,47.38 24.08,47.55 23.58,47.05 23.4,47.22 23.9,47.73 23.73,47.91 23.7,47.88 23.47,48.1 23.05,48.1 19.72,51.43 19.02,51.43 17.24,53.21 17.24,60.06 17.02,60.28 16.31,59.57 16.13,59.75 16.87,60.48 16.69,60.66 15.87,59.84 15.69,60.02 16.51,60.84 16.34,61.01 15.52,60.19 15.34,60.37 16.16,61.19 15.98,61.37 15.96,61.34 15.91,61.4 14.6,62.7 12.88,62.7 11.13,60.95 DIMM1.70
DRAM1_DQ32: length 45.3
  Top Layer w0.15: DIMM1.129 v1(3.4,40.85) ; v1(34.9,33.5) U1.AK30
  InLayer2 (Signal) w0.15: v1(34.9,33.5) 34.88,33.52 34.52,33.52 33.53,34.51 14.11,34.51 13.5,33.9 12.55,33.9 11.71,34.74 11.71,35.89 11.09,36.51 9.99,36.51 9.05,37.46 9.05,38.45 8.6,38.9 7.56,38.9 7.07,39.39 7.33,39.65 7.15,39.83 6.89,39.56 6.71,39.74 7.11,40.13 6.93,40.31 6.54,39.92 6.36,40.09 6.75,40.49 6.58,40.66 6.18,40.27 6.01,40.45 6.4,40.84 6.22,41.02 5.83,40.63 5.61,40.85 5.13,40.85 5.13,41.24 4.88,41.24 4.88,40.71 4.63,40.71 4.63,41.24 4.38,41.24 4.38,40.71 4.13,40.71 4.13,41.24 3.88,41.24 3.88,40.85 v1(3.4,40.85)
DRAM1_DQ33: length 46.2
  Top Layer w0.15: v1(36.9,33.5) U1.AH30 ; DIMM1.131 v1(3.4,40.25)
  InLayer2 (Signal) w0.15: v1(3.4,40.25) 3.93,40.25 3.93,39.67 4.18,39.67 4.18,40.27 4.43,40.27 4.43,39.67 4.68,39.67 4.68,40.27 4.93,40.27 4.93,39.68 5.18,39.68 5.18,40.25 5.55,40.25 7.2,38.6 8.3,38.6 8.6,38.3 8.6,37.3 9.73,36.17 10.73,36.17 11.19,35.71 11.19,34.7 12.39,33.5 13.88,33.5 14.4,34.02 30.03,34.02 30.03,34.12 30.28,34.12 30.28,33.89 30.53,33.89 30.53,34.12 30.78,34.12 30.78,33.89 31.03,33.89 31.03,34.12 31.28,34.12 31.28,33.89 31.53,33.89 31.53,34.12 31.78,34.12 31.78,33.89 32.03,33.89 32.03,34.12 32.28,34.12 32.28,33.9 32.53,33.9 32.53,34.02 33.36,34.02 34.48,32.9 36,32.9 36.6,33.5 36.9,33.5 v1(36.9,33.5)